# Altium PCB PCB1.PcbDoc
Units mm, origin at the board's own origin, x right, y up, seen from the top; angles counter-clockwise.
Board outline 152.4 x 101.6 mm, 2 copper layers (Top Layer, Bottom Layer); 19 components, 24 nets, 88 pads, 4 vias.
Unrouted connection lines stored in the file: 43.
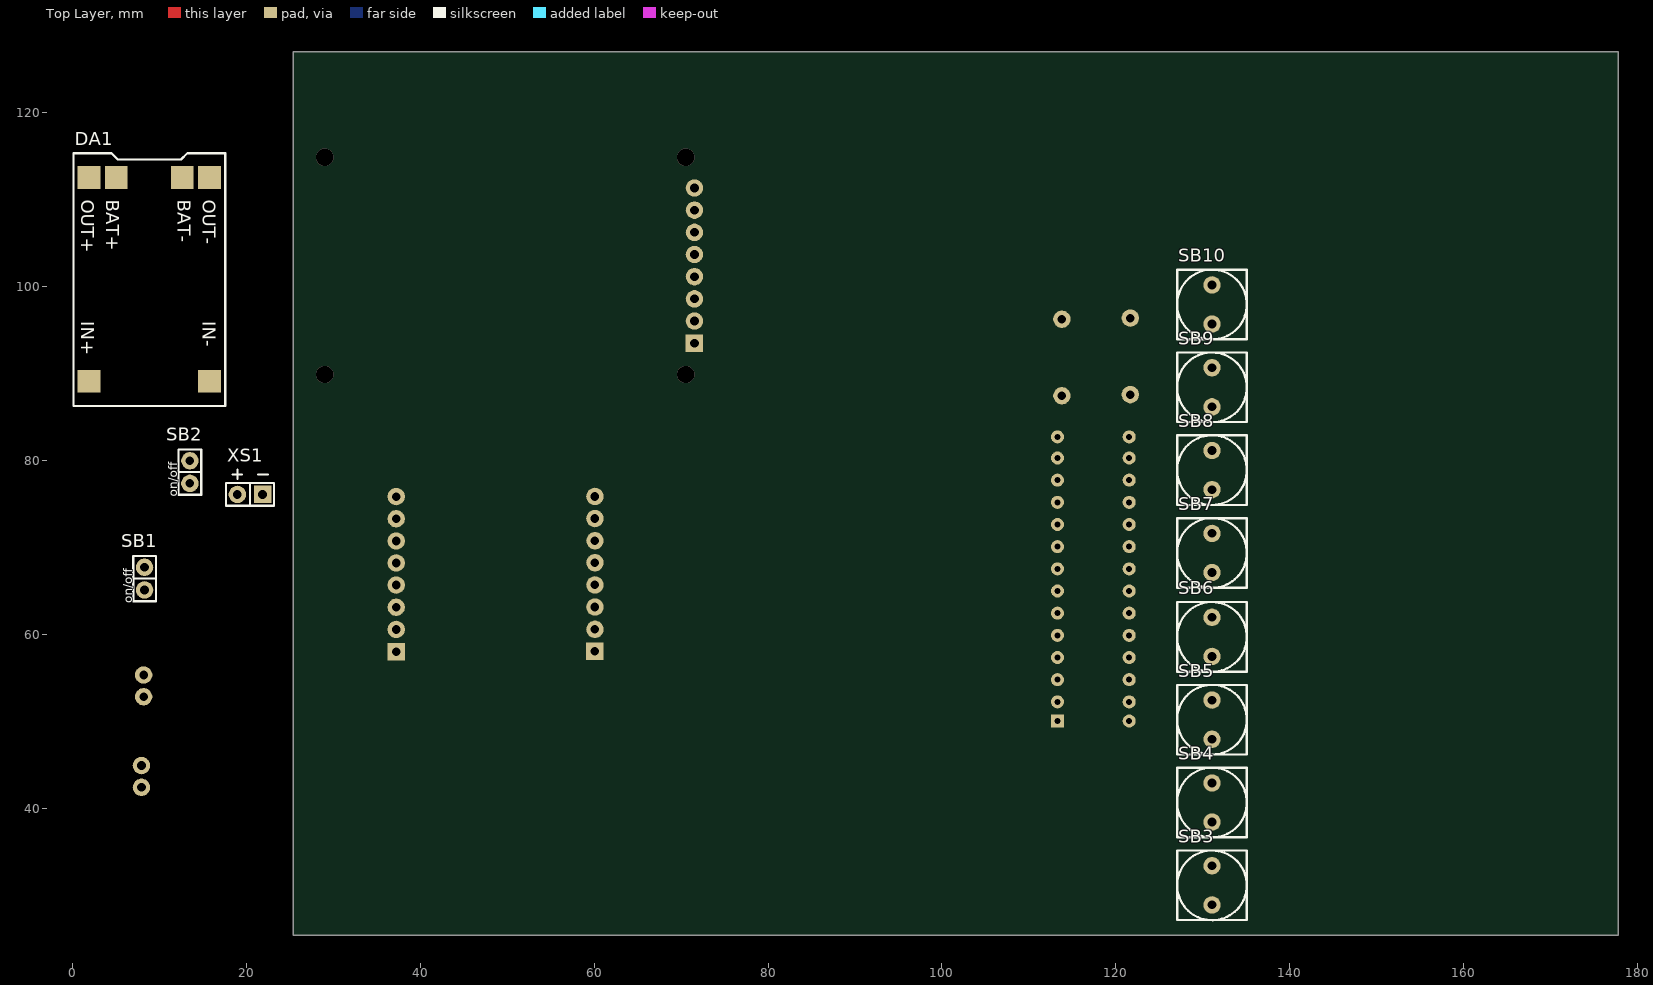
[diagram p0: Top Layer view]
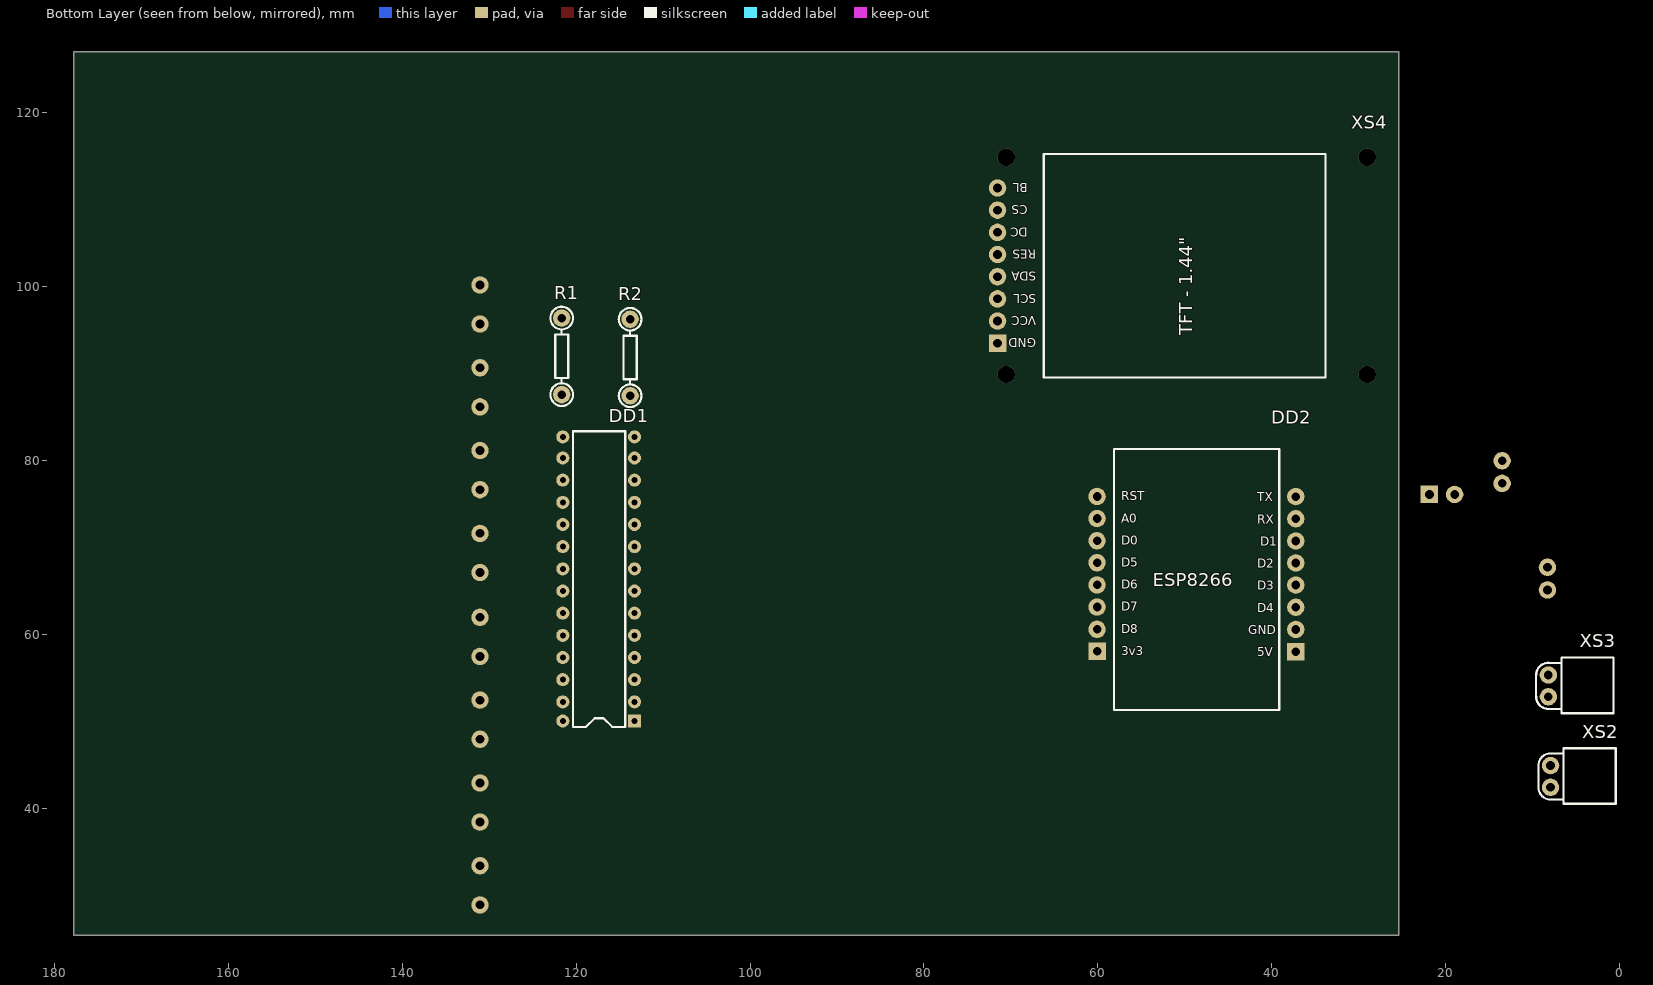
[diagram p1: Bottom Layer view, seen from below]

## Layer stack, top to bottom
Top Solder: solder mask 0.0102, Solder Resist, Dk 3.5
Top Layer: signal copper 0.0356
Dielectric 1: dielectric 0.32, FR-4, Dk 4.8
Bottom Layer: signal copper 0.0356
Bottom Solder: solder mask 0.0102, Solder Resist, Dk 3.5

## Board outline
25.4,25.4 177.8,25.4 177.8,127 25.4,127

## Design rules (kind name [scope] priority, off if disabled: settings)
Clearance [All] p1: gap=0.254 ignorepadtopadclearanceinfootprint=FALSE
PolygonConnect [All] p1: connectstyle=Relief reliefconductorwidth=0.254 reliefentries=4 polygonreliefangle="90 Angle" airgapwidth=0.254
RoutingVias [All] p1: holewidth=0.711 width=1.27 viastyle="Through Hole" minholewidth=0.711 minwidth=1.27 maxholewidth=0.711 maxwidth=1.27
SolderMaskExpansion [All] p1: expansion=0.102 istentingtop=FALSE
SupplyNets "Schematic Supply Nets_2" [InNet('VCC')] p1: voltage=0.000
SupplyNets "Schematic Supply Nets_1" [InNet('GND')] p2: voltage=0.000
SupplyNets "Schematic Supply Nets" [InNet('+3.3v')] p3: voltage=0.000
Width [All] p1: maxlimit=0.254 minlimit=0.254 preferedwidth=0.254
30 further rules are at their usual default settings.

## Components (designator, comment, footprint, x,y, rotation, side; value= is the part's Value field where it differs from the comment)
DA1 "TP4056" "1S 4056 BMS USB C" 8.738,101.219 r270 top
DD1 "MCP23017" DIP28 117.364,66.339 r90 bottom
DD2 "LOLINESP8266" ESP8266Wemos 48.641,66.294 r180 bottom
R1 "resistor" res 121.666,91.948 r180 bottom
R2 "resistor" res 113.792,91.821 r180 bottom
SB1 "button2" On/Off 8.303,66.391 r90 top
SB2 "button2" On/Off 13.51,78.643 r90 top
SB3 "button" button 131.064,31.115 r270 top
SB4 "button" button 131.064,40.64 r270 top
SB5 "button" button 131.064,50.165 r270 top
SB6 "button" button 131.064,59.69 r270 top
SB7 "button" button 131.064,69.342 r270 top
SB8 "button" button 131.064,78.867 r270 top
SB9 "button" button 131.064,88.392 r270 top
SB10 "button" button 131.064,97.917 r270 top
XS1 "Power" Power 18.971,76.073 r0 top
XS2 "type-C" 2pin 7.541,43.688 r180 bottom
XS3 "Speaker" 2pin 7.795,54.102 r180 bottom
XS4 "TFT_Display" TFT 50.038,102.362 r90 bottom

## Footprints (in the part's own frame and the unit in brackets; to place one, negate y for a bottom-side part, rotate by r counter-clockwise, add the part's x,y. Pads: shape width x height; smd on the part's side, far side on the other; paste and mask are expansions set on the pad)
"1S 4056 BMS USB C" [mm]
  rect 2.6x2.6 smd: 1(12.15,-6.825) 2(12.15,7.025) 3(-11.3,-3.7) 4(-11.3,3.9) 5(-11.3,-6.825) 6(-11.3,7.025)
  silkscreen extent -14.1,-8.6 14.97,8.85, body extent -14.11,-8.55 14.97,8.75, height 5.26
2pin [mm]
  round 2 hole 1: 1(-0.4,1.2) 2(-0.4,-1.3)
  silkscreen extent -1.8,-3.2 7.1,3.2, body extent -0.5,-3.61 7.53,3.61, height 6.84
button [mm]
  round 2 hole 1: 1(-2.25,0) 2(2.25,0)
  silkscreen extent -4,-4 4,4
DIP28 [mm]
  rect 1.5x1.5 hole 0.7: 1(-16.325,-4.075)
  round 1.5 hole 0.7: 2(-14.125,-4.075) 3(-11.575,-4.075) 4(-9.025,-4.075) 5(-6.475,-4.075) 6(-3.925,-4.075) 7(-1.375,-4.075) 8(1.175,-4.075) 9(3.725,-4.075) 10(6.275,-4.075) 11(8.825,-4.075) 12(11.375,-4.075) 13(13.925,-4.075) 14(16.35,-4.075) 15(16.35,4.175) 16(13.925,4.175) 17(11.375,4.175) 18(8.825,4.175) 19(6.275,4.175) 20(3.725,4.175) 21(1.175,4.175) 22(-1.375,4.175) 23(-3.925,4.175) 24(-6.475,4.175) 25(-9.025,4.175) 26(-11.575,4.175) 27(-14.125,4.175) 28(-16.325,4.175)
  silkscreen extent -17,-3 17,3, body extent -17.27,-4.26 17.27,4.26, height 5.03
ESP8266Wemos [mm]
  round 2 hole 1: 1(-11.45,9.55) 2(-11.45,7) 3(-11.45,4.45) 4(-11.45,1.925) 5(-11.45,-0.625) 6(-11.45,-3.175) 7(-11.45,-5.735) 10(11.4,-5.75) 11(11.4,-3.2) 12(11.4,-0.65) 13(11.4,1.9) 14(11.4,4.425) 15(11.4,6.975) 16(11.4,9.525)
  rect 2x2 hole 1: 8(-11.45,-8.275) 9(11.4,-8.3)
  silkscreen extent -9.5,-15 9.5,15, body extent -12.9,-17.15 12.9,17.15, height 7.94
On/Off [mm]
  round 2 hole 1: 1(-1.3,0) 2(1.3,0)
  silkscreen extent -2.6,-1.3 2.6,1.3
Power [mm]
  round 2 hole 1: 1(0,0)
  rect 2x2 hole 1: 2(2.9,0)
  silkscreen extent -1.3,-1.3 4.2,2.85
res [mm]
  round 2 hole 1: 1(0,4.4) 2(0,-4.4)
  silkscreen extent -1.3,-5.7 1.3,5.7, body extent -1,-4.68 1,4.68, height 2.99
TFT [mm]
  rect 2x2 hole 1: 1(-8.9,21.5)
  round 2 hole 1: 2(-6.35,21.5) 3(-3.8,21.5) 4(-1.25,21.5) 5(1.3,21.5) 6(3.85,21.5) 7(6.4,21.5) 8(8.95,21.5)
  silkscreen extent -12.85,-16.2 12.85,16.2, body extent -15,-23.5 15,23, height 7.2

## Part data
XS2 XS3: library part pinOutX2

## Via types
v1: diameter 2, hole 2, Top Layer to Bottom Layer, 4 vias

## Nets (pads, with @x,y where several pads share a name; then routed paths per layer and width w, separated by ;. In a path a pad name is that pad's centre, name@x,y a point inside that pad or via, vN(x,y) a via of type N, cw(c..) or ccw(c..) an arc to the next point about the centre after c; other vN are vias at no path point)
+3.3v: DD1.9 DD2.8 XS4.2 XS4.8
GND: DA1.6 DD1.10 DD1.15 DD1.16 DD1.17 DD2.16 SB3.2 SB4.2 SB5.2 SB6.2 SB7.2 SB8.2 SB9.2 SB10.2 XS4.1 XS4.7
NetDA1_1: DA1.1 XS2.1
NetDA1_2: DA1.2 XS2.2
NetDA1_3: DA1.3 XS1.1
NetDA1_4: DA1.4 XS1.2
NetDA1_5: DA1.5 SB2.1
NetDD1_12: DD1.12 R1.2
NetDD1_13: DD1.13 R2.2
NetDD1_18: DD1.18 DD2.1 XS4.5
NetDD1_21: DD1.21 SB10.1
NetDD1_22: DD1.22 SB9.1
NetDD1_23: DD1.23 SB8.1
NetDD1_24: DD1.24 SB7.1
NetDD1_25: DD1.25 SB6.1
NetDD1_26: DD1.26 SB5.1
NetDD1_27: DD1.27 SB4.1
NetDD1_28: DD1.28 SB3.1
NetDD2_4: DD2.4 XS4.3
NetDD2_6: DD2.6 XS4.4
NetDD2_7: DD2.7 XS4.6
NetDD2_18: XS3.1
NetSB1_1: SB1.1 XS3.2
VCC: DD2.15 R1.1 R2.1 SB1.2 SB2.2
pads on no net: DD1.1 DD1.2 DD1.3 DD1.4 DD1.5 DD1.6 DD1.7 DD1.8 DD1.11 DD1.14 DD1.19 DD1.20 DD2.2 DD2.3 DD2.5 DD2.9 DD2.10 DD2.11 DD2.12 DD2.13 DD2.14
copper on no net:
  other v1: 29.038,89.862 70.538,89.862 29.038,114.862 70.538,114.862

## Text inside footprints (layer, text, board x,y; h text height)
DA1: Top Overlay "IN-" at 14.992,95.965 h1.52 r270; Top Overlay "IN+" at 0.992,95.965 h1.52 r270; Top Overlay "BAT+" at 3.867,109.965 h1.52 r270; Top Overlay "BAT-" at 12.116,109.965 h1.52 r270; Top Overlay "OUT-" at 14.991,109.965 h1.52 r270; Top Overlay "OUT+" at 0.992,109.965 h1.52 r270
DD2: Bottom Overlay "RST" at 57.311,75.39 h1; Bottom Overlay "A0" at 57.311,72.84 h1; Bottom Overlay "D0" at 57.311,70.29 h1; Bottom Overlay "D5" at 57.311,67.765 h1; Bottom Overlay "D6" at 57.311,65.215 h1; Bottom Overlay "D7" at 57.311,62.665 h1; Bottom Overlay "D8" at 57.311,60.105 h1; Bottom Overlay "3v3" at 57.311,57.565 h1; Bottom Overlay "TX" at 41.687,75.273 h1; Bottom Overlay "RX" at 41.687,72.723 h1; Bottom Overlay "D1" at 41.354,70.173 h1; Bottom Overlay "D2" at 41.687,67.648 h1; Bottom Overlay "D3" at 41.687,65.098 h1; Bottom Overlay "D4" at 41.687,62.548 h1; Bottom Overlay "GND" at 42.687,59.998 h1; Bottom Overlay "5V" at 41.687,57.448 h1; Bottom Overlay "ESP8266" at 53.719,65.532 h1.52
SB1: Top Overlay "on/off" at 6.857,63.554 h1 r90
SB2: Top Overlay "on/off" at 12.064,75.806 h1 r90
XS4: Bottom Overlay "BL" at 68.092,111.858 h1 r180; Bottom Overlay "CS" at 68.092,109.308 h1 r180; Bottom Overlay "DC" at 68.092,106.758 h1 r180; Bottom Overlay "RES" at 67.092,104.208 h1 r180; Bottom Overlay "SDA" at 67.092,101.658 h1 r180; Bottom Overlay "SCL" at 67.092,99.108 h1 r180; Bottom Overlay "VCC" at 67.092,96.558 h1 r180; Bottom Overlay "GND" at 67.092,94.008 h1 r180; Bottom Overlay "TFT - 1.44\"" at 49.149,94.364 h1.52 r270